# KiCad board Smart LED WS2812B Ring7.kicad_pcb (continued)
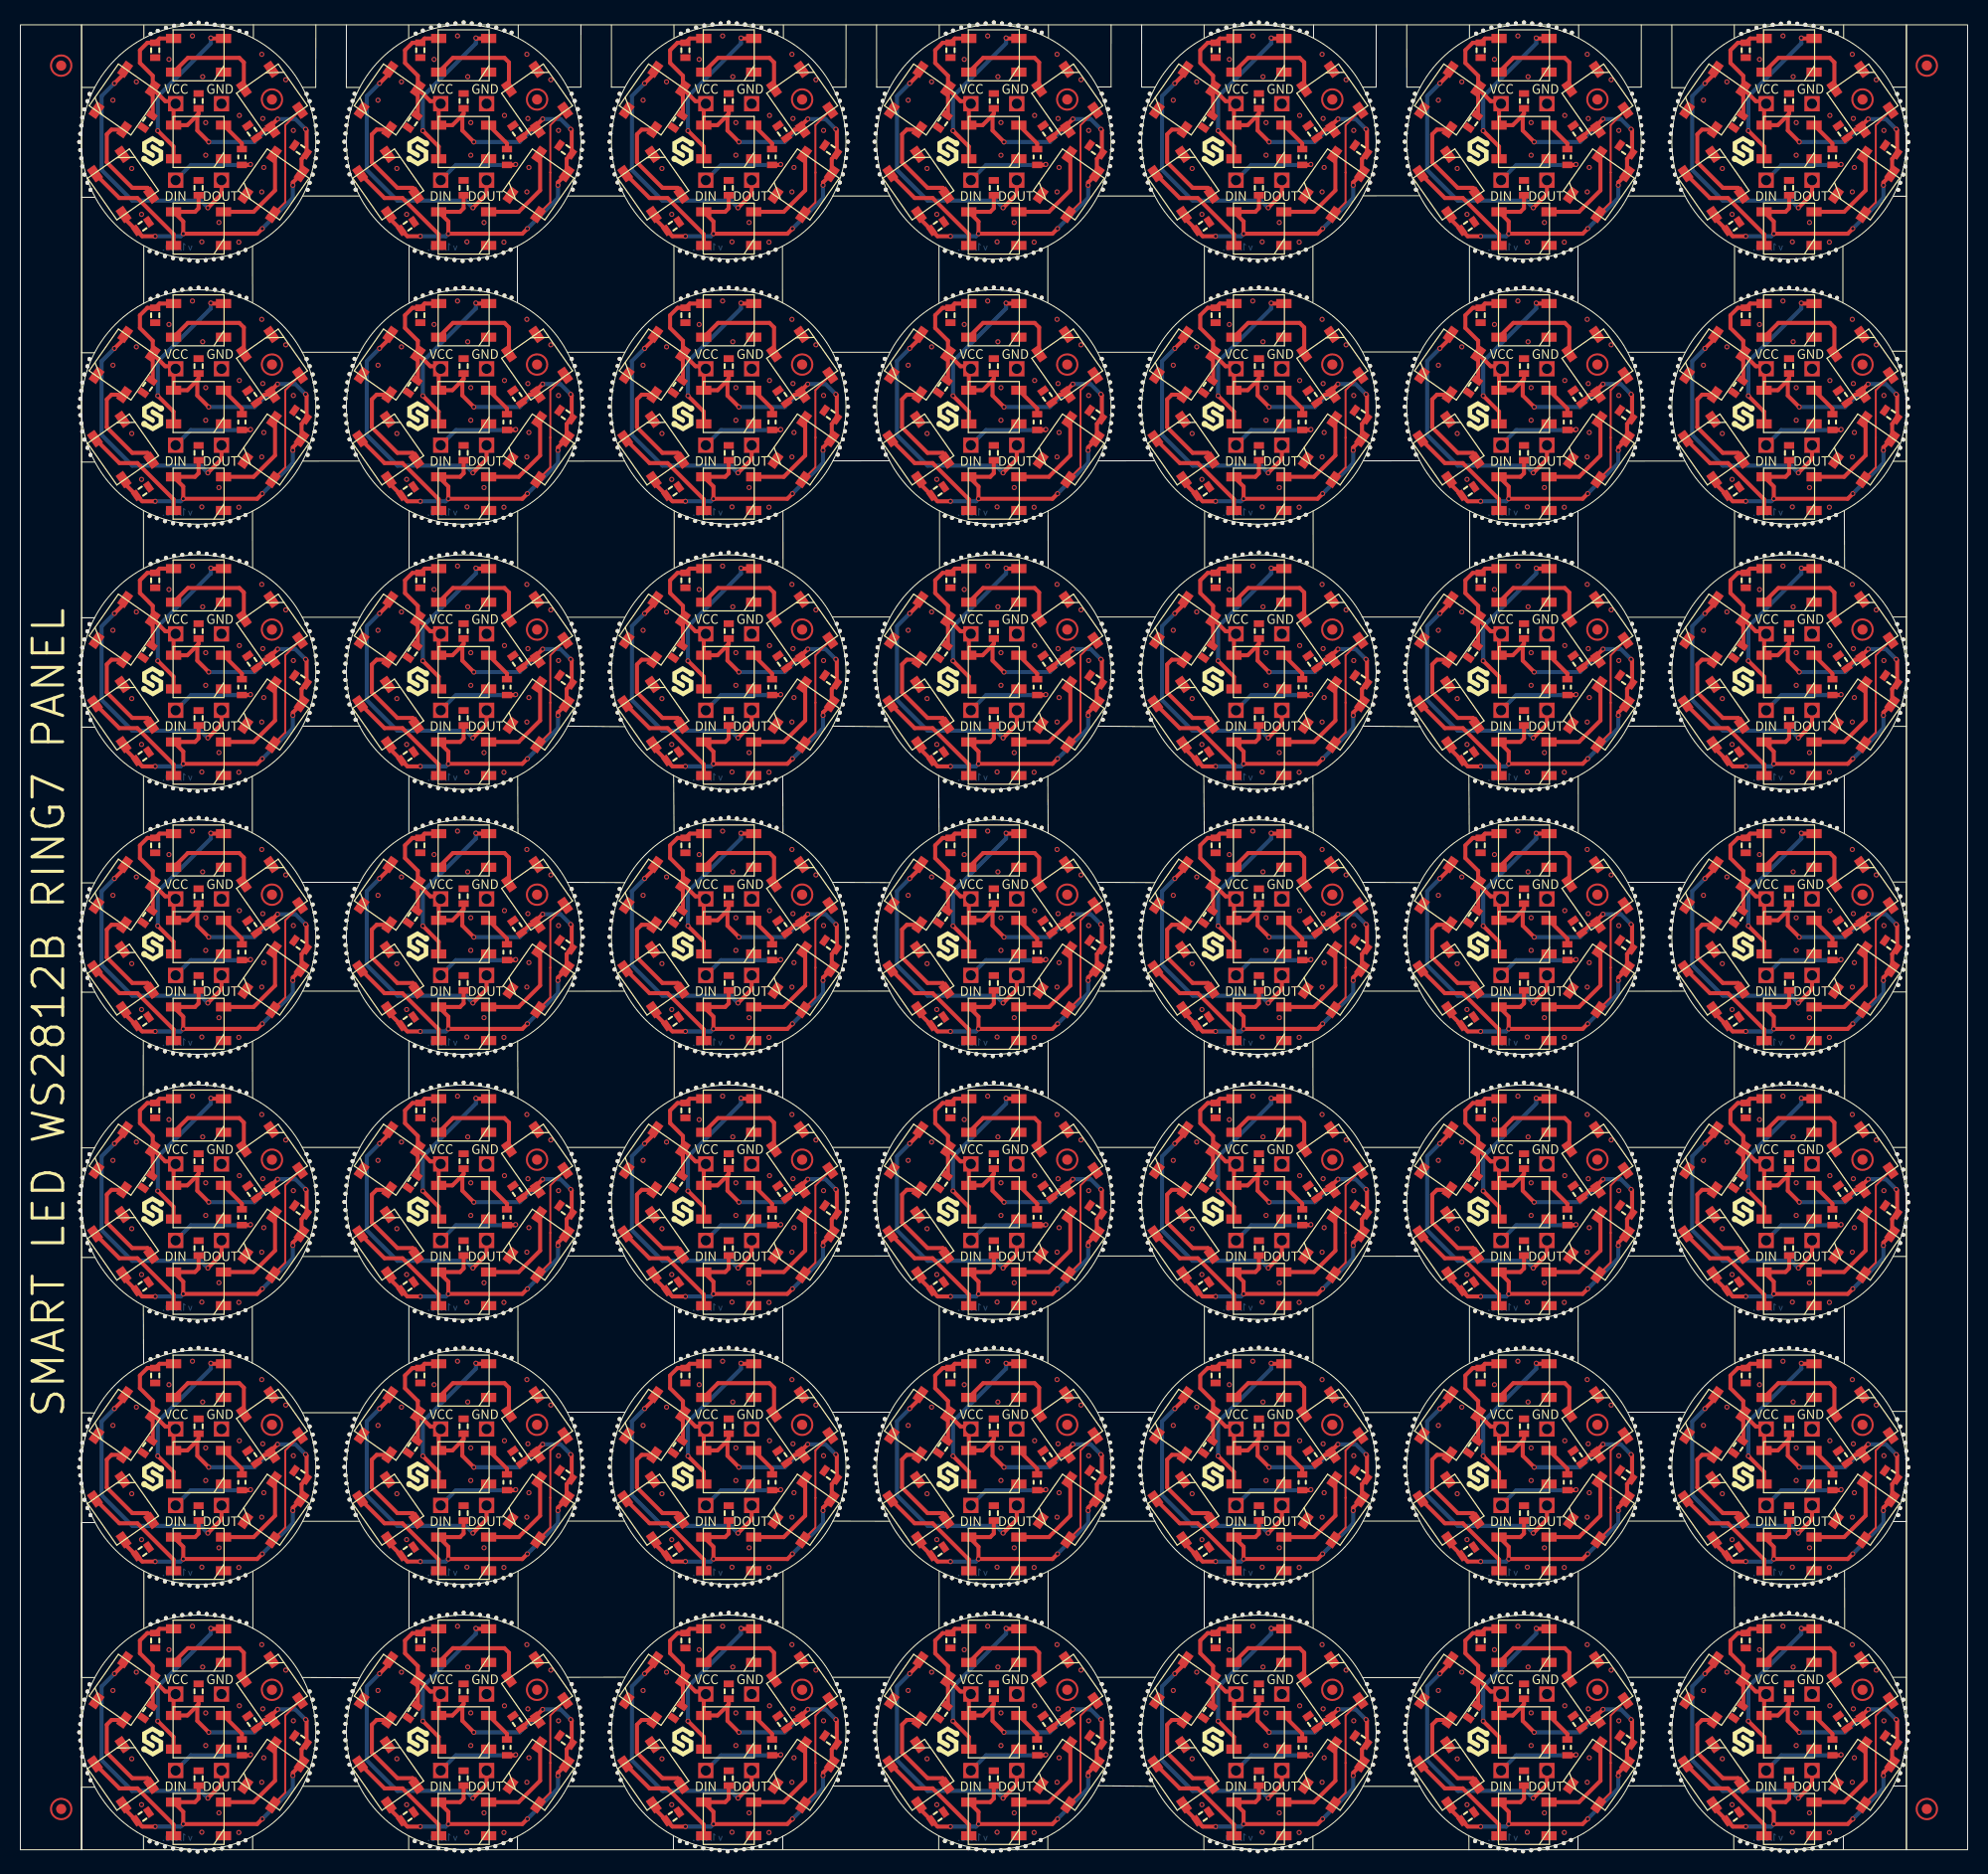
[diagram p0: board, top side]
## Routing (per net, layer and track width the routed paths; a pad name or vN(x,y) marks a point on that pad's centre or on a via; arc(x,y) is an arc through that point)
GND:
  vias: v1(9.08,171.63) v1(9.08,145.63) v1(9.08,119.63) v1(9.08,93.63) v1(9.08,67.63) v1(9.08,41.63) v1(9.08,15.63) v1(10.92,164.94) v1(10.92,138.94) v1(10.92,112.94) v1(10.92,86.94) v1(10.92,60.94) v1(10.92,34.94) v1(10.92,8.94) v1(11.38,173.44) v1(11.38,147.44) v1(11.38,121.44) v1(11.38,95.44) v1(11.38,69.44) v1(11.38,43.44) v1(11.38,17.44) v1(11.89,160.44) v1(11.89,134.44) v1(11.89,108.44) v1(11.89,82.44) v1(11.89,56.44) v1(11.89,30.44) v1(11.89,4.44) v1(14.58,175.63) v1(14.58,149.63) v1(14.58,123.63) v1(14.58,97.63) v1(14.58,71.63) v1(14.58,45.63) v1(14.58,19.63) v1(16.88,177.94) v1(16.88,151.94) v1(16.88,125.94) v1(16.88,99.94) v1(16.88,73.94) v1(16.88,47.94) v1(16.88,21.94) v1(17.8,157.73) v1(17.8,131.73) v1(17.8,105.73) v1(17.8,79.73) v1(17.8,53.73) v1(17.8,27.73) v1(17.8,1.74) v1(17.88,173.94) v1(17.88,147.94) v1(17.88,121.94) v1(17.88,95.94) v1(17.88,69.94) v1(17.88,43.94) v1(17.88,17.94) v1(18.17,169.44) v1(18.17,166.23) v1(18.17,143.44) v1(18.17,140.23) v1(18.17,117.44) v1(18.17,114.23) v1(18.17,91.44) v1(18.17,88.23) v1(18.17,65.44) v1(18.17,62.23) v1(18.17,39.44) v1(18.17,36.23) v1(18.17,13.44) v1(18.17,10.23) v1(19.47,159.63) v1(19.47,133.63) v1(19.47,107.63) v1(19.47,81.63) v1(19.47,55.63) v1(19.47,29.63) v1(19.47,3.63) v1(21.42,157.7) v1(21.42,131.7) v1(21.42,105.7) v1(21.42,79.7) v1(21.42,53.7) v1(21.42,27.7) v1(21.42,1.7) v1(21.47,170.13) v1(21.47,144.13) v1(21.47,118.13) v1(21.47,92.13) v1(21.47,66.13) v1(21.47,40.13) v1(21.47,14.13) v1(23.67,176.13) v1(23.67,162.63) v1(23.67,150.13) v1(23.67,136.63) v1(23.67,124.13) v1(23.67,110.63) v1(23.67,98.13) v1(23.67,84.63) v1(23.67,72.13) v1(23.67,58.63) v1(23.67,46.13) v1(23.67,32.63) v1(23.67,20.13) v1(23.67,6.63) v1(23.78,169.83) v1(23.78,143.83) v1(23.78,117.83) v1(23.78,91.83) v1(23.78,65.83) v1(23.78,39.83) v1(23.78,13.83) v1(23.88,165.03) v1(23.88,139.03) v1(23.88,113.03) v1(23.88,87.03) v1(23.88,61.03) v1(23.88,35.03) v1(23.88,9.03) v1(26.03,173.63) v1(26.03,147.63) v1(26.03,121.63) v1(26.03,95.63) v1(26.03,69.63) v1(26.03,43.63) v1(26.03,17.63) v1(26.78,168.66) v1(26.78,142.66) v1(26.78,116.66) v1(26.78,90.66) v1(26.78,64.66) v1(26.78,38.66) v1(26.78,12.66) v1(35.08,171.63) v1(35.08,145.63) v1(35.08,119.63) v1(35.08,93.63) v1(35.08,67.63) v1(35.08,41.63) v1(35.08,15.63) v1(36.92,164.94) v1(36.92,138.94) v1(36.92,112.94) v1(36.92,86.94) v1(36.92,60.94) v1(36.92,34.94) v1(36.92,8.94) v1(37.38,173.44) v1(37.38,147.44) v1(37.38,121.44) v1(37.38,95.44) v1(37.38,69.44) v1(37.38,43.44) v1(37.38,17.44) v1(37.89,160.44) v1(37.89,134.44) v1(37.89,108.44) v1(37.89,82.44) v1(37.89,56.44) v1(37.89,30.44) v1(37.89,4.44) v1(40.58,175.63) v1(40.58,149.63) v1(40.58,123.63) v1(40.58,97.63) v1(40.58,71.63) v1(40.58,45.63) v1(40.58,19.63) v1(42.88,177.94) v1(42.88,151.94) v1(42.88,125.94) v1(42.88,99.94) v1(42.88,73.94) v1(42.88,47.94) v1(42.88,21.94) v1(43.8,157.73) v1(43.8,131.73) v1(43.8,105.73) v1(43.8,79.73) v1(43.8,53.73) v1(43.8,27.73) v1(43.8,1.74) v1(43.88,173.94) v1(43.88,147.94) v1(43.88,121.94) v1(43.88,95.94) v1(43.88,69.94) v1(43.88,43.94) v1(43.88,17.94) v1(44.17,169.44) v1(44.17,166.23) v1(44.17,143.44) v1(44.17,140.23) v1(44.17,117.44) v1(44.17,114.23) v1(44.17,91.44) v1(44.17,88.23) v1(44.17,65.44) v1(44.17,62.23) v1(44.17,39.44) v1(44.17,36.23) v1(44.17,13.44) v1(44.17,10.23) v1(45.47,159.63) v1(45.47,133.63) v1(45.47,107.63) v1(45.47,81.63) v1(45.47,55.63) v1(45.47,29.63) v1(45.47,3.63) v1(47.42,157.7) v1(47.42,131.7) v1(47.42,105.7) v1(47.42,79.7) v1(47.42,53.7) v1(47.42,27.7) v1(47.42,1.7) v1(47.47,170.13) v1(47.47,144.13) v1(47.47,118.13) v1(47.47,92.13) v1(47.47,66.13) v1(47.47,40.13) v1(47.47,14.13) v1(49.67,176.13) v1(49.67,162.63) v1(49.67,150.13) v1(49.67,136.63) v1(49.67,124.13) v1(49.67,110.63) v1(49.67,98.13) v1(49.67,84.63) v1(49.67,72.13) v1(49.67,58.63) v1(49.67,46.13) v1(49.67,32.63) v1(49.67,20.13) v1(49.67,6.63) v1(49.78,169.83) v1(49.78,143.83) v1(49.78,117.83) v1(49.78,91.83) v1(49.78,65.83) v1(49.78,39.83) v1(49.78,13.83) v1(49.88,165.03) v1(49.88,139.03) v1(49.88,113.03) v1(49.88,87.03) v1(49.88,61.03) v1(49.88,35.03) v1(49.88,9.03) v1(52.03,173.63) v1(52.03,147.63) v1(52.03,121.63) v1(52.03,95.63) v1(52.03,69.63) v1(52.03,43.63) v1(52.03,17.63) v1(52.78,168.66) v1(52.78,142.66) v1(52.78,116.66) v1(52.78,90.66) v1(52.78,64.66) v1(52.78,38.66) v1(52.78,12.66) v1(61.08,171.63) v1(61.08,145.63) v1(61.08,119.63) v1(61.08,93.63) v1(61.08,67.63) v1(61.08,41.63) v1(61.08,15.63) v1(62.93,164.94) v1(62.93,138.94) v1(62.93,112.94) v1(62.93,86.94) v1(62.93,60.94) v1(62.93,34.94) v1(62.93,8.94) v1(63.38,173.44) v1(63.38,147.44) v1(63.38,121.44) v1(63.38,95.44) v1(63.38,69.44) v1(63.38,43.44) v1(63.38,17.44) v1(63.88,160.44) v1(63.88,134.44) v1(63.88,108.44) v1(63.88,82.44) v1(63.88,56.44) v1(63.88,30.44) v1(63.88,4.44) v1(66.57,175.63) v1(66.57,149.63) v1(66.57,123.63) v1(66.57,97.63) v1(66.57,71.63) v1(66.57,45.63) v1(66.57,19.63) v1(68.88,177.94) v1(68.88,151.94) v1(68.88,125.94) v1(68.88,99.94) v1(68.88,73.94) v1(68.88,47.94) v1(68.88,21.94) v1(69.79,157.73) v1(69.79,131.73) v1(69.79,105.73) v1(69.79,79.73) v1(69.79,53.73) v1(69.79,27.73) v1(69.79,1.74) v1(69.88,173.94) v1(69.88,147.94) v1(69.88,121.94) v1(69.88,95.94) v1(69.88,69.94) v1(69.88,43.94) v1(69.88,17.94) v1(70.18,169.44) v1(70.18,166.23) v1(70.18,143.44) v1(70.18,140.23) v1(70.18,117.44) v1(70.18,114.23) v1(70.18,91.44) v1(70.18,88.23) v1(70.18,65.44) v1(70.18,62.23) v1(70.18,39.44) v1(70.18,36.23) v1(70.18,13.44) v1(70.18,10.23) v1(71.47,159.63) v1(71.47,133.63) v1(71.47,107.63) v1(71.47,81.63) v1(71.47,55.63) v1(71.47,29.63) v1(71.47,3.63) v1(73.43,157.7) v1(73.43,131.7) v1(73.43,105.7) v1(73.43,79.7) v1(73.43,53.7) v1(73.43,27.7) v1(73.43,1.7) v1(73.47,170.13) v1(73.47,144.13) v1(73.47,118.13) v1(73.47,92.13) v1(73.47,66.13) v1(73.47,40.13) v1(73.47,14.13) v1(75.68,176.13) v1(75.68,162.63) v1(75.68,150.13) v1(75.68,136.63) v1(75.68,124.13) v1(75.68,110.63) v1(75.68,98.13) v1(75.68,84.63) v1(75.68,72.13) v1(75.68,58.63) v1(75.68,46.13) v1(75.68,32.63) v1(75.68,20.13) v1(75.68,6.63) v1(75.78,169.83) v1(75.78,143.83) v1(75.78,117.83) v1(75.78,91.83) v1(75.78,65.83) v1(75.78,39.83) v1(75.78,13.83) v1(75.88,165.03) v1(75.88,139.03) v1(75.88,113.03) v1(75.88,87.03) v1(75.88,61.03) v1(75.88,35.03) v1(75.88,9.03) v1(78.03,173.63) v1(78.03,147.63) v1(78.03,121.63) v1(78.03,95.63) v1(78.03,69.63) v1(78.03,43.63) v1(78.03,17.63) v1(78.78,168.66) v1(78.78,142.66) v1(78.78,116.66) v1(78.78,90.66) v1(78.78,64.66) v1(78.78,38.66) v1(78.78,12.66) v1(87.07,171.63) v1(87.07,145.63) v1(87.07,119.63) v1(87.07,93.63) v1(87.07,67.63) v1(87.07,41.63) v1(87.07,15.63) v1(88.93,164.94) v1(88.93,138.94) v1(88.93,112.94) v1(88.93,86.94) v1(88.93,60.94) v1(88.93,34.94) v1(88.93,8.94) v1(89.38,173.44) v1(89.38,147.44) v1(89.38,121.44) v1(89.38,95.44) v1(89.38,69.44) v1(89.38,43.44) v1(89.38,17.44) v1(89.88,160.44) v1(89.88,134.44) v1(89.88,108.44) v1(89.88,82.44) v1(89.88,56.44) v1(89.88,30.44) v1(89.88,4.44) v1(92.57,175.63) v1(92.57,149.63) v1(92.57,123.63) v1(92.57,97.63) v1(92.57,71.63) v1(92.57,45.63) v1(92.57,19.63) v1(94.88,177.94) v1(94.88,151.94) v1(94.88,125.94) v1(94.88,99.94) v1(94.88,73.94) v1(94.88,47.94) v1(94.88,21.94) v1(95.79,157.73) v1(95.79,131.73) v1(95.79,105.73) v1(95.79,79.73) v1(95.79,53.73) v1(95.79,27.73) v1(95.79,1.74) v1(95.88,173.94) v1(95.88,147.94) v1(95.88,121.94) v1(95.88,95.94) v1(95.88,69.94) v1(95.88,43.94) v1(95.88,17.94) v1(96.18,169.44) v1(96.18,166.23) v1(96.18,143.44) v1(96.18,140.23) v1(96.18,117.44) v1(96.18,114.23) v1(96.18,91.44) v1(96.18,88.23) v1(96.18,65.44) v1(96.18,62.23) v1(96.18,39.44) v1(96.18,36.23) v1(96.18,13.44) v1(96.18,10.23) v1(97.47,159.63) v1(97.47,133.63) v1(97.47,107.63) v1(97.47,81.63) v1(97.47,55.63) v1(97.47,29.63) v1(97.47,3.63) v1(99.43,157.7) v1(99.43,131.7) v1(99.43,105.7) v1(99.43,79.7) v1(99.43,53.7) v1(99.43,27.7) v1(99.43,1.7) v1(99.47,170.13) v1(99.47,144.13) v1(99.47,118.13) v1(99.47,92.13) v1(99.47,66.13) v1(99.47,40.13) v1(99.47,14.13) v1(101.68,176.13) v1(101.68,162.63) v1(101.68,150.13) v1(101.68,136.63) v1(101.68,124.13) v1(101.68,110.63) v1(101.68,98.13) v1(101.68,84.63) v1(101.68,72.13) v1(101.68,58.63) v1(101.68,46.13) v1(101.68,32.63) v1(101.68,20.13) v1(101.68,6.63) v1(101.78,169.83) v1(101.78,143.83) v1(101.78,117.83) v1(101.78,91.83) v1(101.78,65.83) v1(101.78,39.83) v1(101.78,13.83) v1(101.88,165.03) v1(101.88,139.03) v1(101.88,113.03) v1(101.88,87.03) v1(101.88,61.03) v1(101.88,35.03) v1(101.88,9.03) v1(104.03,173.63) v1(104.03,147.63) v1(104.03,121.63) v1(104.03,95.63) v1(104.03,69.63) v1(104.03,43.63) v1(104.03,17.63) v1(104.78,168.66) v1(104.78,142.66) v1(104.78,116.66) v1(104.78,90.66) v1(104.78,64.66) v1(104.78,38.66) v1(104.78,12.66) v1(113.07,171.63) v1(113.07,145.63) v1(113.07,119.63) v1(113.07,93.63) v1(113.07,67.63) v1(113.07,41.63) v1(113.07,15.63) v1(114.93,164.94) v1(114.93,138.94) v1(114.93,112.94) v1(114.93,86.94) v1(114.93,60.94) v1(114.93,34.94) v1(114.93,8.94) v1(115.38,173.44) v1(115.38,147.44) v1(115.38,121.44) v1(115.38,95.44) v1(115.38,69.44) v1(115.38,43.44) v1(115.38,17.44) v1(115.88,160.44) v1(115.88,134.44) v1(115.88,108.44) v1(115.88,82.44) v1(115.88,56.44) v1(115.88,30.44) v1(115.88,4.44) v1(118.57,175.63) v1(118.57,149.63) v1(118.57,123.63) v1(118.57,97.63) v1(118.57,71.63) v1(118.57,45.63) v1(118.57,19.63) v1(120.88,177.94) v1(120.88,151.94) v1(120.88,125.94) v1(120.88,99.94) v1(120.88,73.94) v1(120.88,47.94) v1(120.88,21.94) v1(121.79,157.73) v1(121.79,131.73) v1(121.79,105.73) v1(121.79,79.73) v1(121.79,53.73) v1(121.79,27.73) v1(121.79,1.74) v1(121.88,173.94) v1(121.88,147.94) v1(121.88,121.94) v1(121.88,95.94) v1(121.88,69.94) v1(121.88,43.94) v1(121.88,17.94) v1(122.18,169.44) v1(122.18,166.23) v1(122.18,143.44) v1(122.18,140.23) v1(122.18,117.44) v1(122.18,114.23) v1(122.18,91.44) v1(122.18,88.23) v1(122.18,65.44) v1(122.18,62.23) v1(122.18,39.44) v1(122.18,36.23) v1(122.18,13.44) v1(122.18,10.23) v1(123.47,159.63) v1(123.47,133.63) v1(123.47,107.63) v1(123.47,81.63) v1(123.47,55.63) v1(123.47,29.63) v1(123.47,3.63) v1(125.43,157.7) v1(125.43,131.7) v1(125.43,105.7) v1(125.43,79.7) v1(125.43,53.7) v1(125.43,27.7) v1(125.43,1.7) v1(125.47,170.13) v1(125.47,144.13) v1(125.47,118.13) v1(125.47,92.13) v1(125.47,66.13) v1(125.47,40.13) v1(125.47,14.13) v1(127.68,176.13) v1(127.68,162.63) v1(127.68,150.13) v1(127.68,136.63) v1(127.68,124.13) v1(127.68,110.63) v1(127.68,98.13) v1(127.68,84.63) v1(127.68,72.13) v1(127.68,58.63) v1(127.68,46.13) v1(127.68,32.63) v1(127.68,20.13) v1(127.68,6.63) v1(127.78,169.83) v1(127.78,143.83) v1(127.78,117.83) v1(127.78,91.83) v1(127.78,65.83) v1(127.78,39.83) v1(127.78,13.83) v1(127.88,165.03) v1(127.88,139.03) v1(127.88,113.03) v1(127.88,87.03) v1(127.88,61.03) v1(127.88,35.03) v1(127.88,9.03) v1(130.03,173.63) v1(130.03,147.63) v1(130.03,121.63) v1(130.03,95.63) v1(130.03,69.63) v1(130.03,43.63) v1(130.03,17.63) v1(130.78,168.66) v1(130.78,142.66) v1(130.78,116.66) v1(130.78,90.66) v1(130.78,64.66) v1(130.78,38.66) v1(130.78,12.66) v1(139.07,171.63) v1(139.07,145.63) v1(139.07,119.63) v1(139.07,93.63) v1(139.07,67.63) v1(139.07,41.63) v1(139.07,15.63) v1(140.93,164.94) v1(140.93,138.94) v1(140.93,112.94) v1(140.93,86.94) v1(140.93,60.94) v1(140.93,34.94) v1(140.93,8.94) v1(141.38,173.44) v1(141.38,147.44) v1(141.38,121.44) v1(141.38,95.44) v1(141.38,69.44) v1(141.38,43.44) v1(141.38,17.44) v1(141.88,160.44) v1(141.88,134.44) v1(141.88,108.44) v1(141.88,82.44) v1(141.88,56.44) v1(141.88,30.44) v1(141.88,4.44) v1(144.57,175.63) v1(144.57,149.63) v1(144.57,123.63) v1(144.57,97.63) v1(144.57,71.63) v1(144.57,45.63) v1(144.57,19.63) v1(146.88,177.94) v1(146.88,151.94) v1(146.88,125.94) v1(146.88,99.94) v1(146.88,73.94) v1(146.88,47.94) v1(146.88,21.94) v1(147.79,157.73) v1(147.79,131.73) v1(147.79,105.73) v1(147.79,79.73) v1(147.79,53.73) v1(147.79,27.73) v1(147.79,1.74) v1(147.88,173.94) v1(147.88,147.94) v1(147.88,121.94) v1(147.88,95.94) v1(147.88,69.94) v1(147.88,43.94) v1(147.88,17.94) v1(148.18,169.44) v1(148.18,166.23) v1(148.18,143.44) v1(148.18,140.23) v1(148.18,117.44) v1(148.18,114.23) v1(148.18,91.44) v1(148.18,88.23) v1(148.18,65.44) v1(148.18,62.23) v1(148.18,39.44) v1(148.18,36.23) v1(148.18,13.44) v1(148.18,10.23) v1(149.47,159.63) v1(149.47,133.63) v1(149.47,107.63) v1(149.47,81.63) v1(149.47,55.63) v1(149.47,29.63) v1(149.47,3.63) v1(151.43,157.7) v1(151.43,131.7) v1(151.43,105.7) v1(151.43,79.7) v1(151.43,53.7) v1(151.43,27.7) v1(151.43,1.7) v1(151.47,170.13) v1(151.47,144.13) v1(151.47,118.13) v1(151.47,92.13) v1(151.47,66.13) v1(151.47,40.13) v1(151.47,14.13) v1(153.68,176.13) v1(153.68,162.63) v1(153.68,150.13) v1(153.68,136.63) v1(153.68,124.13) v1(153.68,110.63) v1(153.68,98.13) v1(153.68,84.63) v1(153.68,72.13) v1(153.68,58.63) v1(153.68,46.13) v1(153.68,32.63) v1(153.68,20.13) v1(153.68,6.63) v1(153.78,169.83) v1(153.78,143.83) v1(153.78,117.83) v1(153.78,91.83) v1(153.78,65.83) v1(153.78,39.83) v1(153.78,13.83) v1(153.88,165.03) v1(153.88,139.03) v1(153.88,113.03) v1(153.88,87.03) v1(153.88,61.03) v1(153.88,35.03) v1(153.88,9.03) v1(156.03,173.63) v1(156.03,147.63) v1(156.03,121.63) v1(156.03,95.63) v1(156.03,69.63) v1(156.03,43.63) v1(156.03,17.63) v1(156.78,168.66) v1(156.78,142.66) v1(156.78,116.66) v1(156.78,90.66) v1(156.78,64.66) v1(156.78,38.66) v1(156.78,12.66) v1(165.07,171.63) v1(165.07,145.63) v1(165.07,119.63) v1(165.07,93.63) v1(165.07,67.63) v1(165.07,41.63) v1(165.07,15.63) v1(166.93,164.94) v1(166.93,138.94) v1(166.93,112.94) v1(166.93,86.94) v1(166.93,60.94) v1(166.93,34.94) v1(166.93,8.94) v1(167.38,173.44) v1(167.38,147.44) v1(167.38,121.44) v1(167.38,95.44) v1(167.38,69.44) v1(167.38,43.44) v1(167.38,17.44) v1(167.88,160.44) v1(167.88,134.44) v1(167.88,108.44) v1(167.88,82.44) v1(167.88,56.44) v1(167.88,30.44) v1(167.88,4.44) v1(170.57,175.63) v1(170.57,149.63) v1(170.57,123.63) v1(170.57,97.63) v1(170.57,71.63) v1(170.57,45.63) v1(170.57,19.63) v1(172.88,177.94) v1(172.88,151.94) v1(172.88,125.94) v1(172.88,99.94) v1(172.88,73.94) v1(172.88,47.94) v1(172.88,21.94) v1(173.79,157.73) v1(173.79,131.73) v1(173.79,105.73) v1(173.79,79.73) v1(173.79,53.73) v1(173.79,27.73) v1(173.79,1.74) v1(173.88,173.94) v1(173.88,147.94) v1(173.88,121.94) v1(173.88,95.94) v1(173.88,69.94) v1(173.88,43.94) v1(173.88,17.94) v1(174.18,169.44) v1(174.18,166.23) v1(174.18,143.44) v1(174.18,140.23) v1(174.18,117.44) v1(174.18,114.23) v1(174.18,91.44) v1(174.18,88.23) v1(174.18,65.44) v1(174.18,62.23) v1(174.18,39.44) v1(174.18,36.23) v1(174.18,13.44) v1(174.18,10.23) v1(175.47,159.63) v1(175.47,133.63) v1(175.47,107.63) v1(175.47,81.63) v1(175.47,55.63) v1(175.47,29.63) v1(175.47,3.63) v1(177.43,157.7) v1(177.43,131.7) v1(177.43,105.7) v1(177.43,79.7) v1(177.43,53.7) v1(177.43,27.7) v1(177.43,1.7) v1(177.47,170.13) v1(177.47,144.13) v1(177.47,118.13) v1(177.47,92.13) v1(177.47,66.13) v1(177.47,40.13) v1(177.47,14.13) v1(179.68,176.13) v1(179.68,162.63) v1(179.68,150.13) v1(179.68,136.63) v1(179.68,124.13) v1(179.68,110.63) v1(179.68,98.13) v1(179.68,84.63) v1(179.68,72.13) v1(179.68,58.63) v1(179.68,46.13) v1(179.68,32.63) v1(179.68,20.13) v1(179.68,6.63) v1(179.78,169.83) v1(179.78,143.83) v1(179.78,117.83) v1(179.78,91.83) v1(179.78,65.83) v1(179.78,39.83) v1(179.78,13.83) v1(179.88,165.03) v1(179.88,139.03) v1(179.88,113.03) v1(179.88,87.03) v1(179.88,61.03) v1(179.88,35.03) v1(179.88,9.03) v1(182.03,173.63) v1(182.03,147.63) v1(182.03,121.63) v1(182.03,95.63) v1(182.03,69.63) v1(182.03,43.63) v1(182.03,17.63) v1(182.78,168.66) v1(182.78,142.66) v1(182.78,116.66) v1(182.78,90.66) v1(182.78,64.66) v1(182.78,38.66) v1(182.78,12.66) v2(19.72,171.28) v2(19.72,145.28) v2(19.72,119.28) v2(19.72,93.28) v2(19.72,67.28) v2(19.72,41.28) v2(19.72,15.28) v2(45.72,171.28) v2(45.72,145.28) v2(45.72,119.28) v2(45.72,93.28) v2(45.72,67.28) v2(45.72,41.28) v2(45.72,15.28) v2(71.72,171.28) v2(71.72,145.28) v2(71.72,119.28) v2(71.72,93.28) v2(71.72,67.28) v2(71.72,41.28) v2(71.72,15.28) v2(97.72,171.28) v2(97.72,145.28) v2(97.72,119.28) v2(97.72,93.28) v2(97.72,67.28) v2(97.72,41.28) v2(97.72,15.28) v2(123.72,171.28) v2(123.72,145.28) v2(123.72,119.28) v2(123.72,93.28) v2(123.72,67.28) v2(123.72,41.28) v2(123.72,15.28) v2(149.72,171.28) v2(149.72,145.28) v2(149.72,119.28) v2(149.72,93.28) v2(149.72,67.28) v2(149.72,41.28) v2(149.72,15.28) v2(175.72,171.28) v2(175.72,145.28) v2(175.72,119.28) v2(175.72,93.28) v2(175.72,67.28) v2(175.72,41.28) v2(175.72,15.28)
VCC: length 3402.1